# Altium PCB CL-HC-M-V2.1gerber.PcbDoc (part 16 of 18) (continued)
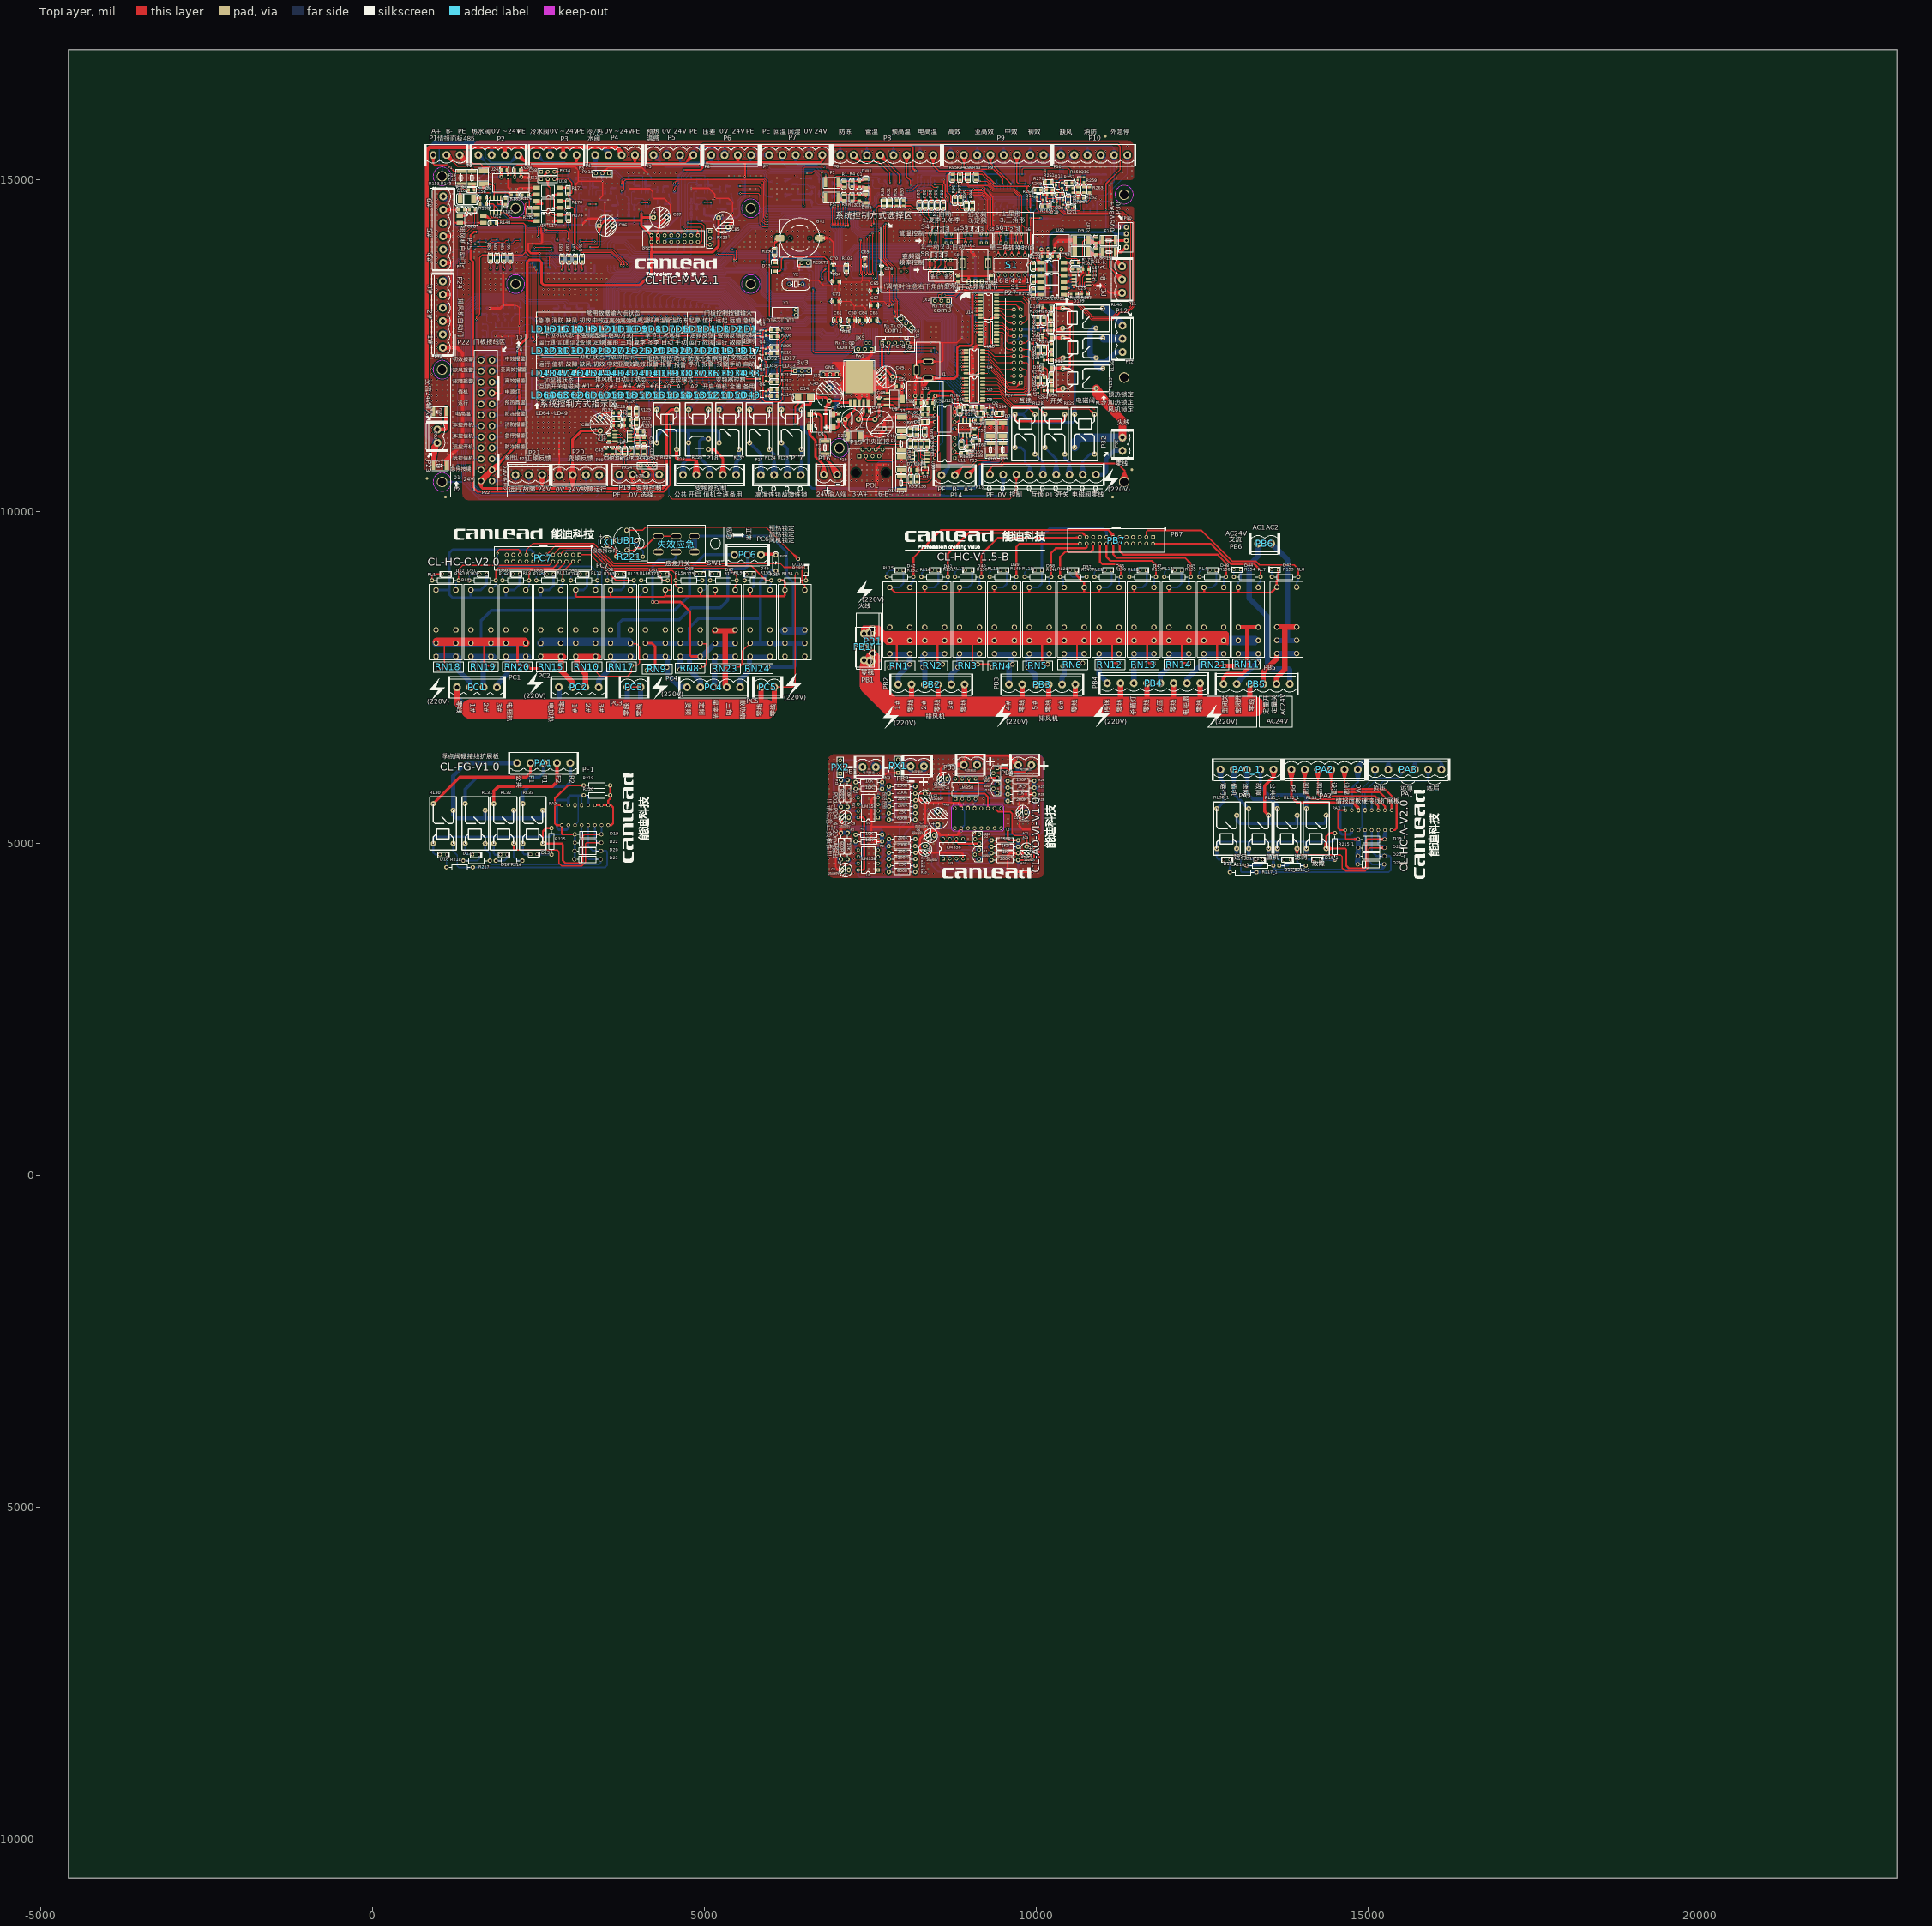
[diagram p0: TopLayer view]
## Nets (pads, with @x,y where several pads share a name; then routed paths per layer and width w, separated by ;. In a path a pad name is that pad's centre, name@x,y a point inside that pad or via, vN(x,y) a via of type N, cw(c..) or ccw(c..) an arc to the next point about the centre after c; other vN are vias at no path point) (continued)
  BottomLayer w30: P4.4@3310.88,15359.93 3364.16,15219.65 ; PX15.3@3364.16,15098.22 3364.16,15359.11 P4.4@3353.92,15369.36 3364.16,15219.65 ; P4.4@3397.84,15365.88 3364.16,15219.65
冷水阀执行: C12.2 C21.1 P3.4 PX14.3 R117.2 R119.2 | length 4062
  TopLayer w20: PX14.3@2739.14,15120.55 v1(2940.93,15120.55) ; PX14.3@2741.27,15101.14 2828.66,15120.55 PX14.3@2741.27,15139.96
  BottomLayer w15: P3.4@2445.6,15327.64 2564.87,15279.79 ; P3.4@2452.09,15341.41 2564.87,15279.79 ; P3.4@2460.09,15354.2 2564.87,15279.79 ; P3.4@2474,15370.67 2571.95,15272.72 2893.48,15272.72 2942.36,15223.85 2942.36,15045.04 3050.54,14936.86 3152.74,14936.86 ; P3.4@2490.47,15384.58 2564.87,15279.79 ; P3.4@2503.26,15392.58 2564.87,15279.79 ; P3.4@2517.03,15399.07 2564.87,15279.79 ; 2942.36,15062.99 v1(2940.93,15120.55) 2942.36,15178.11 ; R119.2@3140.35,14983.74 3152.74,14936.86 ; C21.1@3140.38,14897.24 3152.74,14936.86 ; C21.1@3152.74,14895.36 3152.74,14936.86 ; R119.2@3152.74,14995.36 C12.2@3217.71,15000.1 ; R119.2@3153.03,14972.86 C12.2@3217.71,14980.61 ; R119.2@3153.03,15007.85 C12.2@3217.71,15000.1 ; C21.1@3153.94,14877.91 3217.74,14890.36 C21.1@3153.94,14902.8 ; R119.2@3153.94,14977.91 3217.74,14990.36 R119.2@3153.94,15002.8 ; R119.2@3154.84,14983.03 C12.2@3217.71,15000.1 ; R119.2@3154.84,14997.68 C12.2@3217.71,14980.61 ; C21.1@3165.1,14897.24 3152.74,14936.86 ; R119.2@3165.14,14983.74 3152.74,14936.86 ; R117.2@3230.64,14883.03 C21.1@3167.77,14900.1 ; R117.2@3230.64,14897.68 C21.1@3167.77,14880.61 ; R117.2@3231.54,14877.91 3167.74,14890.36 R117.2@3231.54,14902.8 ; C12.2@3231.54,14977.91 3167.74,14990.36 C12.2@3231.54,15002.8 ; R117.2@3232.45,14872.86 C21.1@3167.77,14880.61 ; R117.2@3232.45,14907.85 C21.1@3167.77,14900.1 ; R117.2@3232.74,14885.36 C21.1@3167.77,14880.61 ; R117.2@3232.74,14890.36 C21.1@3152.74,14890.36 3152.74,14936.86 ; R117.2@3232.74,14895.36 C21.1@3167.77,14900.1 ; C12.2@3232.74,14990.36 R119.2@3152.74,14990.36 3152.74,14936.86 ; 3152.74,14936.86 3152.74,14985.36 C12.2@3217.71,14980.61
初效: OP1.4 P9.8 R21.2@10718.86,14998.5 | length 2263.8
  BottomLayer w15: P9.8@10110.72,15369.03 10237.44,15369.03 10386.07,15220.4 10386.07,14879.1 10530.24,14734.94 10697.99,14734.94 10713.86,14750.8 OP1.4@10713.86,14843.5 10713.86,14993.5 R21.2@10718.86,14998.5 10713.86,14932.88 ; P9.8@10112.95,15347.59 10214.78,15369.03 ; P9.8@10112.95,15390.47 10214.78,15369.03 ; P9.8@10117.14,15333.04 10214.78,15369.03 ; P9.8@10117.14,15405.01 10214.78,15369.03 ; P9.8@10123.49,15319.08 10214.78,15369.03 ; P9.8@10123.49,15418.98 10214.78,15369.03 ; R21.2@10706.36,14998.26 10713.86,14932.88 ; 10713.86,14753.5 OP1.4@10713.86,14813.5 ; OP1.4@10713.86,14873.5 10713.86,14933.5 ; R21.2@10731.18,14996.37 10713.86,14932.88
加湿器控制: C35.2 C42.1 P13.3 PX24.3 R138.2 R141.2 | length 9491.2
  TopLayer w15: R138.2@3974.15,11027.85 C42.1@3981.9,10963.16 ; C42.1@3979.21,10949.34 3991.65,11013.14 C42.1@4004.09,10949.34 ; R138.2@3979.21,11026.93 3991.65,10963.14 R138.2@4004.09,11026.93 ; R138.2@3984.33,11026.03 C42.1@4001.4,10963.16 ; R138.2@3986.65,11028.14 C42.1@3981.9,10963.16 ; R138.2@3991.65,11028.14 C42.1@3991.65,10948.14 v1(4041.21,10948.14) ; C42.1@3996.65,10948.14 v1(4041.21,10948.14) ; R138.2@3996.65,11028.14 C42.1@4001.4,10963.16 ; C42.1@3998.4,10935.76 v1(4041.21,10948.14) ; C42.1@3998.4,10960.51 v1(4041.21,10948.14) ; R138.2@3998.97,11026.03 C42.1@3981.9,10963.16 ; R138.2@4009.15,11027.85 C42.1@4001.4,10963.16 ; 4041.21,10890.64 v1(4041.21,10948.14) ; R141.2@4074.15,10948.43 C35.2@4081.9,11013.11 ; R141.2@4079.21,10949.34 4091.65,11013.14 R141.2@4104.09,10949.34 ; C35.2@4079.21,11026.93 4091.65,10963.14 C35.2@4104.09,11026.93 ; R141.2@4084.33,10950.24 C35.2@4101.4,11013.11 ; R141.2@4084.93,10935.76 v1(4041.21,10948.14) ; R141.2@4084.93,10960.52 v1(4041.21,10948.14) ; C35.2@4091.65,11028.14 R141.2@4091.65,10948.14 v1(4041.21,10948.14) ; R141.2@4096.65,10948.14 C35.2@4101.4,11013.11 ; R141.2@4098.97,10950.24 C35.2@4081.9,11013.11 ; R141.2@4109.15,10948.43 C35.2@4101.4,11013.11 ; PX24.3@4217.24,10695.64 4238.92,10754.38 ; PX24.3@4238.92,10691.76 4238.92,10754.38 ; PX24.3@4260.61,10695.64 4238.92,10754.38 ; v1@4471.63,10233.43 4514.25,10190.81 ; v1(4471.63,10233.83) 4514.25,10190.81 ; P13.3@9652.27,10540.89 9702.22,10449.61 ; P13.3@9666.23,10547.24 9702.22,10449.61 ; P13.3@9680.78,10551.43 9702.22,10449.61 ; P13.3@9702.22,10553.66 9702.22,10291.63 9601.4,10190.81 4514.25,10190.81 ; P13.3@9723.65,10551.43 9702.22,10449.61 ; P13.3@9738.2,10547.24 9702.22,10449.61 ; P13.3@9752.16,10540.89 9702.22,10449.61 ; v1(4041.21,10948.14) 4041.21,10819.85 4069.3,10791.76 4201.54,10791.76 4238.92,10754.38 ; v1(4041.21,10948.14) 4086.65,10948.14 C35.2@4081.9,11013.11
  BottomLayer w15: PX24.3@4238.92,10691.76 4444.99,10691.76 4471.63,10665.13 v1(4471.63,10233.83) ; PX24.3@4242.18,10669.98 4313.45,10691.76 PX24.3@4242.18,10713.55
变频值机: P18.3 RL25.5 | length 1051.6
  BottomLayer w50: P18.3@5044.21,10556.88 5077.86,10662.87 ; RL25.5@5062.76,11095.67 4963.68,11095.67 4930.38,11062.36 4930.38,10810.36 5077.86,10662.87 ; P18.3@5111.52,10556.88 5077.86,10662.87 ; 5077.86,10662.87 P18.3@5077.86,10551.66 5077.86,10662.87
变频全速: P18.2 RL25.4 | length 1058.2
  TopLayer w40: RL25.4@5062.76,10935.04 5145.7,10935.04 5277.86,10802.87 P18.2@5277.86,10551.66 5277.86,10730.72 ; P18.2@5239.04,10555.92 5277.86,10730.72 ; P18.2@5316.69,10555.92 5277.86,10730.72
变频备用: P18.1 RL37.3 | length 978.5
  BottomLayer w50: P18.1@5443.94,10554.68 5477.86,10743.85 ; P18.1@5511.78,10554.68 5477.86,10743.85 ; RL37.3@5522.76,10935.04 5522.76,10788.74 5477.86,10743.85 ; 5477.86,10743.85 P18.1@5477.86,10551.66 5477.86,10743.85
变频开启: P18.4 RL26.3 | length 1258.5
  TopLayer w50: RL26.3@4582.76,10935.04 4582.76,10805.46 4609.86,10778.36 4854.38,10778.36 4877.86,10754.87 ; P18.4@4843.93,10554.51 4877.86,10754.87 ; P18.4@4911.8,10554.51 4877.86,10754.87 ; 4877.86,10754.87 P18.4@4877.86,10551.66 4877.86,10754.87
变频控制电压选择: R83.2 S8.2 U29.14 | length 3791.4
  TopLayer w10: R83.2@8242.76,14660.04 8280.77,14660.04 ; R83.2@8247.76,14660.04 8280.77,14660.04 ; R83.2@8251.17,14645.43 8280.77,14660.04 ; R83.2@8251.17,14674.64 8280.77,14660.04 ; S8.2@8459.49,13662.25 8474.02,13709.76 ; S8.2@8459.49,13787.83 8474.02,13740.31 ; S8.2@8476.99,13775.61 8510.36,13790 ; S8.2@8476.99,13804.38 8510.36,13790 ; S8.2@8488.54,13662.25 8474.02,13709.76 ; S8.2@8488.54,13787.83 8474.02,13740.31 ; S8.2@8616.97,13662.25 8631.5,13709.76 ; S8.2@8616.97,13787.83 8631.5,13740.31 ; S8.2@8646.02,13662.25 8631.5,13709.76 ; S8.2@8646.02,13787.83 8631.5,13740.31 ; 8280.77,14660.04 8286.5,14654.31 8286.5,14482.37 8375.14,14393.73 8493.15,14393.73 8522.85,14364.03 8522.85,13802.48 8510.36,13790 ; 8474.02,13709.76 S8.2@8474.02,13660.08 S8.2@8474.02,13790 ; 8474.02,13740.31 S8.2@8474.02,13790 ; S8.2@8474.02,13790 8510.36,13790 ; S8.2@8474.02,13790 8510.36,13790 ; 8631.5,13709.76 S8.2@8631.5,13660.08 S8.2@8631.5,13790 8631.5,13740.31
  TopLayer w15: R83.2@8230.32,14661.24 8242.76,14725.04 ; R83.2@8255.2,14661.24 8242.76,14725.04 ; v1(8317.38,14822.95) 8270.98,14818.08 ; v1@8318.32,14818.08 8270.98,14818.08 ; 8242.76,14725.04 R83.2@8242.76,14660.04 8242.76,14789.86 8270.98,14818.08
  BottomLayer w10: S8.2@8476.19,13645.55 8523.7,13660.08 ; S8.2@8476.19,13674.6 8523.7,13660.08 ; S8.2@8476.19,13775.47 8523.7,13790 ; S8.2@8476.19,13804.52 8523.7,13790 ; S8.2@8629.33,13645.55 8581.81,13660.08 ; S8.2@8629.33,13674.6 8581.81,13660.08 ; S8.2@8629.33,13775.47 8581.81,13790 ; S8.2@8629.33,13804.52 8581.81,13790 ; 8523.7,13660.08 S8.2@8474.02,13660.08 S8.2@8631.5,13660.08 8581.81,13660.08 ; 8523.7,13790 S8.2@8474.02,13790 S8.2@8631.5,13790 8581.81,13790
  BottomLayer w15: U29.14@8317.38,14748.36 v1(8317.38,14822.95) ; U29.14@8317.38,14765.45 v1(8317.38,14822.95) ; v1@8318.32,14818.08 8318.32,14823.9 v1(8317.38,14822.95) ; v1(8317.38,14822.95) 8317.38,14773.36 v1(8317.38,14822.95)
回风压差: C14.1 DW5.K R8.1@7102.76,14775.04 R12.2@7222.76,14770.04 U33.44 | length 4341.3
  TopLayer w10: v1@7082.72,14307 7090.21,14348.84 ; v1@7082.73,14596.32 7090.21,14554.48 v1@7097.68,14596.32 ; v1(7090.21,14596.98) v1(7090.2,14306.34) 7090.21,14348.84 ; v1@7097.67,14307 7090.21,14348.84 ; DW5.K@7413.26,14775.58 v1(7433.73,14730.87) ; DW5.K@7422.83,14778.82 v1(7433.73,14730.87) ; v1@7426.25,14731.39 7432.89,14773.37 v1@7441.19,14731.68 ; v1@7426.3,14729.86 7424.24,14772.63 v1@7440.87,14733.17 ; v1@7426.27,14731.61 DW5.K@7433.73,14769.06 ; v1@7426.51,14732.89 7441.54,14772.87 v1@7441.2,14730.15 ; v1@7426.67,14728.35 7415.52,14770.65 v1@7440.26,14734.57 ; v1@7427.07,14734.31 7450.27,14771.12 v1@7440.89,14728.63 ; DW5.K@7427.76,14775.04 DW5.K@7433.73,14769.06 ; DW5.K@7432.76,14780.04 v1(7433.73,14730.87) ; v1@7441.2,14731.61 DW5.K@7433.73,14769.06 ; DW5.K@7442.73,14779.22 v1(7433.73,14730.87) ; DW5.K@7452.42,14776.36 v1(7433.73,14730.87) ; v1(7433.73,14730.87) DW5.K@7433.73,14769.06
  TopLayer w20: R8.1@7102.76,14775.04 7427.76,14775.04 DW5.K@7432.76,14780.04 ; R8.1@7107.76,14775.04 7187.76,14775.04 R12.2@7217.76,14770.04 ; R12.2@7247.36,14775.04 C14.1@7327.76,14770.04 ; C14.1@7308.14,14775.04 7227.76,14770.04 C14.1@7312.26,14771 ; C14.1@7337.76,14770.04 DW5.K@7418.03,14775.04 ; DW5.K@7424.76,14794.73 C14.1@7342.79,14770.35 ; DW5.K@7425.57,14794.88 C14.1@7342.35,14775.04 ; DW5.K@7427.32,14765.04 C14.1@7342.35,14775.04 ; DW5.K@7428.14,14765.04 C14.1@7342.79,14770.35 ; R12.2@7217.76,14770.04 7137.45,14775.04 R12.2@7217.76,14770.04 ; C14.1@7342.35,14775.04 7427.76,14780.04 C14.1@7342.79,14770.35
  BottomLayer w10: U33.44@7061.76,13622.58 7061.76,14265.36 7090.2,14293.8 ; U33.44@7061.76,13652.83 7061.76,13687.58 ; v1@7083.67,14310.04 7063.8,14267.41 ; v1@7085.51,14602.83 7114.44,14621.21 ; v1(7090.21,14596.98) 7114.44,14621.21 ; v1@7096.05,14301.65 7063.8,14267.41 ; v1@7096.06,14592.29 7114.44,14621.21 ; v1@7426.26,14730.21 7433.73,14688.37 ; v1@7441.2,14730.21 7433.73,14688.37 ; 7063.8,14267.41 v1(7090.2,14306.34) ; 7090.2,14293.8 v1(7090.2,14306.34) ; 7090.2,14293.8 7097.35,14304.1 7090.2,14293.8 ; 7090.2,14293.8 7083.04,14304.1 7090.2,14293.8 ; 7090.2,14293.8 v1(7090.2,14306.34) ; 7090.2,14293.8 v1(7090.2,14306.34) ; 7114.44,14621.21 7416.84,14621.21 7433.73,14638.11 v1(7433.73,14730.87) 7433.73,14688.37
回风温度: C3.1@7246.12,15012.18 DW3.K R3.1@7053.81,15002.19 R6.2@7149.13,15002.19 U33.45 | length 6495.6
  TopLayer w10: v1@7122.01,14302.91 7129.47,14344.75 ; v1@7122.01,14595.05 7129.48,14553.21 v1@7136.95,14595.05 ; v1(7129.48,14302.25) 7129.47,14344.75 ; v1@7129.47,14306.34 v1(7129.48,14595.71) ; v1@7136.95,14302.91 7129.47,14344.75
  BottomLayer w10: U33.45@7081.44,13622.58 7081.44,14254.21 7101.84,14274.61 ; U33.45@7081.44,13652.83 7081.44,13687.58 ; v1@7123.69,14307.02 7101.84,14274.61 ; v1(7129.48,14595.71) 7452.17,14595.71 7473.15,14616.7 7473.15,14982.5 7438.63,15017.02 DW3.K@7356.7,15017.02 ; v1@7130.14,14588.24 7171.98,14595.71 v1@7130.14,14603.18 ; v1@7134.25,14296.46 7101.84,14274.61 ; DW3.K@7361.7,15017.02 7416.7,15017.02 ; DW3.K@7362.61,15007.06 7416.7,15017.02 ; DW3.K@7362.61,15026.98 7416.7,15017.02 ; DW3.K@7365.34,14997.36 7416.7,15017.02 ; DW3.K@7365.34,15036.69 7416.7,15017.02 ; 7101.84,14274.61 v1(7129.48,14302.25) 7101.84,14274.61
  BottomLayer w16: R3.1@7053.81,15002.19 R6.2@7149.13,15002.19 7246.57,15002.19 DW3.K@7341.87,15002.19 ; R3.1@7058.81,15002.19 R6.2@7126.81,15002.19 ; R3.1@7059.87,14990.23 R6.2@7126.81,15002.19 ; R3.1@7059.87,15014.14 R6.2@7126.81,15002.19 ; R6.2@7141.52,14990.48 R3.1@7075.33,15011.38 ; R6.2@7141.52,15013.9 R3.1@7075.33,14993 ; R6.2@7144.68,14990.2 R3.1@7075.33,14993 ; R6.2@7144.68,15014.17 R3.1@7075.33,15011.38 ; R6.2@7152.29,15014.04 C3.1@7223.79,15019.09 ; R6.2@7153.89,15014.19 C3.1@7222.95,15009.55 ; R6.2@7154.94,14990.21 C3.1@7222.18,15000.76 ; R6.2@7155.19,14990.23 C3.1@7222.13,15002.19 ; R6.2@7155.19,15014.14 C3.1@7222.13,15002.19 ; R6.2@7155.44,15014.12 C3.1@7222.18,15000.76 ; R6.2@7156.44,14990.41 C3.1@7222.95,15009.55 ; R6.2@7157.93,14990.8 C3.1@7223.79,15019.09 ; C3.1@7238.39,15023.87 R6.2@7172.07,15002.19 ; C3.1@7241.12,15012.18 R6.2@7172.07,15002.19 ; C3.1@7241.82,15000.2 R6.2@7172.07,15002.19 ; C3.1@7250.43,15000.2 7320.21,15002.19 ; DW3.K@7346.18,15033.1 7278.82,15001.01 ; DW3.K@7346.66,15033.26 7275.25,15002.19 ; DW3.K@7349.05,15000.23 C3.1@7253.86,15023.87 ; DW3.K@7349.45,15033.87 C3.1@7251.12,15012.18 ; DW3.K@7351.08,15000.03 C3.1@7251.12,15012.18 ; DW3.K@7351.41,15034.02 C3.1@7253.86,15023.87 ; DW3.K@7353.1,15000.08 7275.25,15002.19 ; DW3.K@7353.43,15000.11 7278.82,15001.01 ; R3.1@7075.33,14993 R6.2@7144.13,15002.19 ; R3.1@7075.33,15011.38 R6.2@7144.13,15002.19 ; R3.1@7076.13,15002.19 7143.07,14990.23 R3.1@7076.13,15002.19 ; R3.1@7076.13,15002.19 7143.07,15014.14 R3.1@7076.13,15002.19 ; R3.1@7076.13,15002.19 R6.2@7144.13,15002.19 ; R3.1@7076.13,15002.19 R6.2@7144.13,15002.19 ; R6.2@7154.13,15002.19 C3.1@7222.13,15002.19 ; R6.2@7154.13,15002.19 C3.1@7222.18,15000.76 ; R6.2@7154.13,15002.19 C3.1@7222.95,15009.55 ; R6.2@7154.13,15002.19 C3.1@7223.79,15019.09 ; C3.1@7251.12,15012.18 7320.21,15002.19 ; C3.1@7251.12,15012.18 DW3.K@7351.7,15017.02 ; C3.1@7253.86,15023.87 7320.21,15002.19 ; C3.1@7253.86,15023.87 DW3.K@7351.7,15017.02 ; 7275.25,15002.19 DW3.K@7351.7,15017.02 ; 7278.82,15001.01 DW3.K@7351.7,15017.02 ; 7320.21,15002.19 DW3.K@7354.97,15000.34 ; 7320.21,15002.19 DW3.K@7340.92,15030.17 ; 7320.21,15002.19 DW3.K@7351.7,15017.02 ; 7320.21,15002.19 DW3.K@7354.97,15000.34 ; 7320.21,15002.19 DW3.K@7340.92,15030.17 ; 7320.21,15002.19 DW3.K@7351.7,15017.02 ; 7320.21,15002.19 DW3.K@7354.97,15000.34 ; 7320.21,15002.19 DW3.K@7340.92,15030.17 ; 7320.21,15002.19 DW3.K@7351.7,15017.02
回风湿度: C13.1 DW4.K R7.1@7028.04,14684.21 R11.2@7138.04,14689.21 U33.42 | length 2964.5
  TopLayer w10: v1@7004.16,14307 7011.62,14348.84 ; v1@7004.16,14612.1 7011.63,14570.26 ; v1(7011.63,14306.34) v1(7011.63,14612.76) 7011.63,14570.26 ; v1(7011.63,14306.34) 7011.62,14348.84 ; v1@7019.1,14307 7011.62,14348.84 ; v1@7019.1,14612.1 7011.63,14570.26
  BottomLayer w10: v1@7004.16,14305.67 7011.63,14264.17 ; v1@7006.77,14618.48 7044.14,14645.27 ; v1(7011.63,14612.76) 7044.14,14645.27 ; v1@7017.35,14607.91 7044.14,14645.27 ; v1@7019.1,14305.67 7011.63,14264.17 ; U33.42@7022.39,13622.58 7022.39,14253.42 7011.63,14264.17 ; U33.42@7022.39,13652.83 7022.39,13687.58 ; C13.1@7229.97,14696.04 7210.43,14646.06 ; C13.1@7243.04,14688.67 7210.43,14646.06 ; C13.1@7248.04,14683.67 7247.73,14683.36 7209.64,14645.27 ; C13.1@7253.56,14677.98 7210.43,14646.06 ; 7257.95,14661.3 7209.64,14645.27 ; 7011.63,14264.17 v1(7011.63,14306.34) 7011.63,14264.17 ; 7044.14,14645.27 7209.64,14645.27
  BottomLayer w20: R7.1@7028.04,14684.21 7028.59,14683.67 C13.1@7248.04,14683.67 ; R7.1@7033.04,14684.21 R11.2@7113.05,14683.67 ; R7.1@7048.7,14684.11 7133.04,14689.21 R7.1@7052.68,14683.67 ; R11.2@7162.65,14683.67 C13.1@7243.04,14688.67 ; C13.1@7223.41,14683.67 7143.04,14689.21 C13.1@7227.95,14687.73 ; C13.1@7247.73,14683.36 7290.85,14683.36 ; C13.1@7253.04,14688.67 7290.85,14683.36 ; DW4.K@7350.09,14644.51 7315,14659.21 ; DW4.K@7350.09,14673.92 7315,14659.21 ; DW4.K@7353.04,14659.21 7315,14659.21 ; DW4.K@7358.04,14659.21 7315,14659.21 ; 7290.85,14683.36 7315,14659.21
外急停开关: OP1.6 P10.6 R19.2@10893.86,14998.5 | length 2365.6
  BottomLayer w15: OP1.6@10813.86,14813.5 10813.86,14780.46 ; 10848.97,14928.61 OP1.6@10813.86,14873.5 ; R19.2@10877.38,15003.44 10854.22,14933.86 ; R19.2@10888.86,14998.5 10854.22,14933.86 ; R19.2@10899.33,14991.68 10854.22,14933.86 ; P10.6@11323.76,15356.26 11373.71,15264.97 ; P10.6@11337.73,15362.61 11373.71,15264.97 ; P10.6@11352.27,15366.79 11373.71,15264.97 ; P10.6@11373.71,15369.03 11373.71,15085.97 11053.33,14765.59 10828.73,14765.59 10813.86,14780.46 ; P10.6@11395.15,15366.79 11373.71,15264.97 ; P10.6@11409.7,15362.61 11373.71,15264.97 ; P10.6@11423.66,15356.26 11373.71,15264.97 ; 10813.86,14780.46 OP1.6@10813.86,14843.5 10813.86,14893.5 ; OP1.6@10813.86,14873.5 10813.86,14893.5 ; OP1.6@10813.86,14873.5 10813.86,14893.5 ; 10813.86,14893.5 10893.86,14973.5 ; 10893.86,14973.5 R19.2@10893.86,14998.5 ; 10893.86,14973.5 10905.96,14995.37 10893.86,14973.5 ; 10893.86,14973.5 10881.76,14995.37 10893.86,14973.5 ; 10893.86,14973.5 R19.2@10893.86,14998.5 ; 10893.86,14973.5 R19.2@10893.86,14998.5
大地: P26.5 PAX.5@8972.68,5530.32
定量关: PB5.5 RL8.5 | length 1505.5
  TopLayer w80: PB5.5@13620.52,7402.59 13620.52,7493.78 13744.62,7617.88 13744.62,8256.66 13880.16,8256.66 ; RL8.5@13624.63,8260.4 RL8.5@13924.63,8260.4 ; RL8.5@13625.85,8261.21 13790.3,8261.21
定量开: PB5.4 RL8.3 | length 842.4
  TopLayer w80: PB5.4@13420.52,7402.59 13420.52,7578.27 13624.63,7782.38 RL8.3@13624.63,7860.4
  BottomLayer w80: RL8.3@13619.3,7859.27 RL8.3@13919.3,7859.27
密闭关: PB5.1 RL7.5 | length 1437.3
  TopLayer w60: PB5.1@12820.52,7402.59 12820.52,7497.63 12879.46,7556.57 13109.14,7556.57 13179.59,7627.01 13179.59,8256.66 ; RL7.5@13054.53,8256.66 13179.59,8256.66 ; RL7.5@13354.53,8256.66 13179.59,8256.66
密闭开: PB5.2 RL7.3 RN11.2 | length 933.7
  BottomLayer w80: PB5.2@13020.52,7402.59 13020.52,7413.16 13354.53,7747.17 ; RL7.3@13054.53,7856.66 13354.53,7856.66 13354.53,7747.17 ; RN11.2@13325.34,7717.98 13354.53,7747.17
手动调速: C38.1 R102.1 R109.2 U33.47 | length 4061.1
  TopLayer w30: C38.1@8818.93,13549.7 8820.39,13551.17 R109.2@9332.63,13551.17 ; C38.1@8823.93,13549.7 8933.97,13551.17 ; R102.1@8966.75,13472.96 8984.14,13548.57 ; R102.1@8984.14,13463.49 8984.14,13548.57 ; R102.1@8984.14,13470.99 8984.14,13548.57 ; R102.1@9001.53,13472.96 8984.14,13548.57 ; 9217.63,13551.17 R109.2@9327.63,13551.17
  BottomLayer w10: U33.47@7120.81,13622.58 7120.81,13848.37 7279.88,14007.44 8211.93,14007.44 8351.25,13868.12 8351.25,13601.31 8439.51,13513.05 8713.26,13513.05 8762.82,13463.49 R102.1@8984.14,13463.49 8921.64,13463.49 ; U33.47@7120.81,13652.83 7120.81,13687.58 ; R102.1@8978.09,13436.66 8921.64,13463.49 ; R102.1@8978.09,13490.31 8921.64,13463.49 ; R102.1@8981.69,13446.16 8921.64,13463.49 ; R102.1@8981.69,13480.81 8921.64,13463.49 ; R102.1@8983.69,13456 8921.64,13463.49 ; R102.1@8983.69,13470.97 8921.64,13463.49
手动频率: C18.2 C24.1 PX15.1 R116.2 R122.2 | length 4467.4
  BottomLayer w15: PX15.1@3564.16,15098.22 3654.81,15098.22 3807.85,14945.19 3807.85,14761.2 ; PX15.1@3567.42,15076.44 3638.69,15098.22 PX15.1@3567.42,15120.01 ; C24.1@3848.67,14442.99 C18.2@3851.82,14510.19 ; R116.2@3848.67,14619.59 C18.2@3851.59,14553.29 ; R122.2@3848.66,14716.45 3852.7,14650.6 ; C18.2@3848.71,14526.13 C24.1@3861.15,14462.34 ; C18.2@3848.71,14538.54 R116.2@3861.15,14602.34 ; R116.2@3848.71,14630.16 3861.15,14693.96 ; C24.1@3848.99,14446.44 C18.2@3870.49,14510.19 ; R122.2@3848.96,14713.26 3869.61,14650.6 ; R116.2@3849.01,14616 C18.2@3870.72,14553.29 ; R122.2@3853.28,14716.32 3807.85,14761.2 ; C24.1@3861.15,14438.57 C18.2@3861.15,14532.34 R116.2@3861.15,14623.96 R122.2@3861.15,14721.03 3848.02,14721.03 3839.45,14729.6 ; C18.2@3861.15,14527.34 C24.1@3861.15,14462.34 ; C18.2@3861.15,14537.34 R116.2@3861.15,14602.34 ; R116.2@3861.15,14628.96 3861.15,14693.96 ; R122.2@3866.98,14737.08 3807.85,14761.2 ; R116.2@3873.3,14616 C18.2@3851.59,14553.29 ; C24.1@3873.32,14446.44 C18.2@3851.82,14510.19 ; R122.2@3873.34,14713.26 3852.7,14650.6 ; C18.2@3873.6,14526.13 C24.1@3861.15,14462.34 ; C18.2@3873.6,14538.54 R116.2@3861.15,14602.34 ; R116.2@3873.6,14630.16 3861.15,14693.96 ; C24.1@3873.64,14442.99 C18.2@3870.49,14510.19 ; R116.2@3873.64,14619.59 C18.2@3870.72,14553.29 ; R122.2@3873.65,14716.45 3869.61,14650.6 ; 3807.85,14761.2 3839.45,14729.6 ; 3807.85,14761.2 R122.2@3861.15,14726.03 ; 3839.45,14729.6 3855.7,14714.78 3839.45,14729.6 ; 3839.45,14729.6 3859.59,14738.43 3839.45,14729.6 ; 3839.45,14729.6 R122.2@3861.15,14726.03 ; 3839.45,14729.6 R122.2@3861.15,14726.03 ; R122.2@3849.16,14712.49 3861.15,14693.96 ; R122.2@3849.16,14712.49 3861.15,14693.96 ; R122.2@3849.16,14712.49 3861.15,14693.96 ; C18.2@3851.59,14553.29 R116.2@3861.15,14618.96 ; C18.2@3851.82,14510.19 C24.1@3861.15,14443.57 ; 3852.7,14650.6 R122.2@3861.15,14716.03 ; C24.1@3861.15,14443.57 C18.2@3861.15,14508.57 ; C24.1@3861.15,14443.57 C18.2@3870.49,14510.19 ; C24.1@3861.15,14443.57 C18.2@3861.15,14508.57 ; C18.2@3861.15,14508.57 3848.71,14444.77 C18.2@3861.15,14508.57 ; C18.2@3861.15,14508.57 3873.6,14444.77 C18.2@3861.15,14508.57 ; C18.2@3861.15,14553.96 3873.6,14617.76 C18.2@3861.15,14553.96 ; C18.2@3861.15,14553.96 3848.71,14617.76 C18.2@3861.15,14553.96 ; C18.2@3861.15,14553.96 R116.2@3861.15,14618.96 ; C18.2@3861.15,14553.96 R116.2@3861.15,14618.96 ; R116.2@3861.15,14618.96 C18.2@3870.72,14553.29 ; 3861.15,14651.03 3873.6,14714.83 3861.15,14651.03 ; 3861.15,14651.03 3848.71,14714.83 3861.15,14651.03 ; 3861.15,14651.03 R122.2@3861.15,14716.03 ; 3861.15,14651.03 R122.2@3861.15,14716.03 ; 3861.15,14693.96 R122.2@3873.14,14712.49 ; 3861.15,14693.96 R122.2@3861.15,14716.03 ; 3861.15,14693.96 R122.2@3873.14,14712.49 ; 3861.15,14693.96 R122.2@3861.15,14716.03 ; 3861.15,14693.96 R122.2@3873.14,14712.49 ; 3861.15,14693.96 R122.2@3861.15,14716.03 ; R122.2@3861.15,14716.03 3869.61,14650.6
星接法: PC4.3 RL9.3 RN23.2 | length 759.5
  BottomLayer w80: PC4.3@5138.93,7365.16 5152.79,7379.02 5152.79,7806.12 5452.79,7806.12 RL9.3@5443.72,7797.05
消防: OP1.8 P10.4 R14.2@11063.86,14998.5 | length 1842.7
  BottomLayer w15: OP1.8@10913.86,14843.5 11040.77,14843.5 11063.86,14866.59 R14.2@11063.86,14998.5 ; P10.4@10945.31,15326 11064.59,15278.15 ; P10.4@10951.8,15339.77 11064.59,15278.15 ; P10.4@10959.8,15352.56 11064.59,15278.15 ; P10.4@10973.71,15369.03 11121.94,15220.81 11121.94,15016.36 11104.07,14998.5 ; P10.4@10990.18,15382.94 11064.59,15278.15 ; P10.4@11002.97,15390.94 11064.59,15278.15 ; P10.4@11016.74,15397.43 11064.59,15278.15 ; R14.2@11051.42,14997.3 11063.86,14933.5 ; R14.2@11068.86,14998.5 11104.07,14998.5 ; R14.2@11071.08,14986.2 11104.07,14998.5 ; R14.2@11071.08,15010.8 11104.07,14998.5 ; R14.2@11076.3,14997.3 11063.86,14933.5 ; 11063.86,14933.5 R14.2@11063.86,14998.5 ; R14.2@11063.86,14998.5 11104.07,14998.5
热水阀执行: C16.2 C22.1 P2.4 PX14.1 R115.2 R120.2 | length 6657.7
  BottomLayer w15: P2.4@1565.67,15327.64 1684.95,15279.79 ; P2.4@1572.17,15341.41 1684.95,15279.79 ; P2.4@1580.17,15354.2 1684.95,15279.79 ; P2.4@1610.54,15384.58 1684.95,15279.79 ; P2.4@1623.34,15392.58 1684.95,15279.79 ; P2.4@1637.1,15399.07 1684.95,15279.79 ; PX14.1@2517.35,15123.8 2539.14,15195.08 PX14.1@2560.92,15123.8 ; PX14.1@2539.14,15120.55 2539.14,15225.37 ; C22.1@3055.25,14422.13 C16.2@3058.41,14489.33 ; R115.2@3055.26,14598.73 C16.2@3058.18,14532.43 ; R120.2@3055.25,14695.59 3059.28,14629.74 ; C16.2@3055.3,14505.27 C22.1@3067.74,14441.48 ; C16.2@3055.3,14517.68 R115.2@3067.74,14581.48 ; R115.2@3055.3,14609.3 3067.74,14673.1 ; R120.2@3055.55,14692.4 3076.2,14629.74 ; C22.1@3055.58,14425.58 C16.2@3077.07,14489.33 ; R115.2@3055.6,14595.14 C16.2@3077.31,14532.43 ; R120.2@3066.2,14687.76 3017.12,14700.17 ; R120.2@3066.2,14712.57 3017.12,14700.17 ; C22.1@3067.74,14417.71 C16.2@3067.74,14511.48 R115.2@3067.74,14603.1 R120.2@3067.74,14700.17 3017.12,14700.17 ; C16.2@3067.74,14506.48 C22.1@3067.74,14441.48 ; C16.2@3067.74,14516.48 R115.2@3067.74,14581.48 ; R115.2@3067.74,14608.1 3067.74,14673.1 ; C22.1@3079.91,14425.58 C16.2@3058.41,14489.33 ; R115.2@3079.89,14595.14 C16.2@3058.18,14532.43 ; R120.2@3079.93,14692.4 3059.28,14629.74 ; C16.2@3080.18,14505.27 C22.1@3067.74,14441.48 ; C16.2@3080.18,14517.68 R115.2@3067.74,14581.48 ; R115.2@3080.18,14609.3 3067.74,14673.1 ; C22.1@3080.23,14422.13 C16.2@3077.07,14489.33 ; R115.2@3080.23,14598.73 C16.2@3077.31,14532.43 ; R120.2@3080.23,14695.59 3076.2,14629.74 ; 1684.95,15279.79 P2.4@1594.08,15370.67 1734.19,15230.55 2858.61,15230.55 2867.38,15221.78 2867.38,14849.91 3017.12,14700.17 ; R120.2@3055.75,14691.63 3067.74,14673.1 ; R120.2@3055.75,14691.63 3067.74,14673.1 ; R120.2@3055.75,14691.63 3067.74,14673.1 ; C16.2@3058.18,14532.43 R115.2@3067.74,14598.1 ; C16.2@3058.41,14489.33 C22.1@3067.74,14422.71 ; 3059.28,14629.74 R120.2@3067.74,14695.17 ; C22.1@3067.74,14422.71 C16.2@3077.07,14489.33 ; C22.1@3067.74,14422.71 C16.2@3067.74,14487.71 ; C22.1@3067.74,14422.71 C16.2@3067.74,14487.71 ; C16.2@3067.74,14487.71 3055.3,14423.91 C16.2@3067.74,14487.71 ; C16.2@3067.74,14487.71 3080.18,14423.91 C16.2@3067.74,14487.71 ; C16.2@3067.74,14533.1 3080.18,14596.9 C16.2@3067.74,14533.1 ; C16.2@3067.74,14533.1 3055.3,14596.9 C16.2@3067.74,14533.1 ; C16.2@3067.74,14533.1 R115.2@3067.74,14598.1 ; C16.2@3067.74,14533.1 R115.2@3067.74,14598.1 ; R115.2@3067.74,14598.1 C16.2@3077.31,14532.43 ; 3067.74,14630.17 3080.18,14693.97 3067.74,14630.17 ; 3067.74,14630.17 3055.3,14693.97 3067.74,14630.17 ; 3067.74,14630.17 R120.2@3067.74,14695.17 ; 3067.74,14630.17 R120.2@3067.74,14695.17 ; 3067.74,14673.1 R120.2@3079.73,14691.63 ; 3067.74,14673.1 R120.2@3067.74,14695.17 ; 3067.74,14673.1 R120.2@3079.73,14691.63 ; 3067.74,14673.1 R120.2@3067.74,14695.17 ; 3067.74,14673.1 R120.2@3079.73,14691.63 ; 3067.74,14673.1 R120.2@3067.74,14695.17 ; R120.2@3067.74,14695.17 3076.2,14629.74
电高温: OP2.2 P8.8 R31.2 | length 2161.9
  TopLayer w20: P8.8@8400.32,15356.95 8448.32,15248 ; P8.8@8419.48,15363.51 8448.32,15248 ; P8.8@8448.32,15367.06 8448.32,15218.26 8534.48,15132.1 9182.72,15132.1 v1(9370.46,14944.36) 9315.54,14999.28 ; P8.8@8477.16,15363.51 8448.32,15248 ; P8.8@8496.32,15356.95 8448.32,15248
  BottomLayer w15: R31.2@9308.38,14996.33 9320.69,14962.4 ; R31.2@9320.69,14998.5 9320.69,14962.4 ; R31.2@9333,14996.33 9320.69,14962.4 ; OP2.2@9412.76,14865.04 9414.85,14909.87 ; OP2.2@9414.85,14843.5 9414.85,14909.87 ; 9320.69,14962.4 9338.47,14944.62 ; 9338.47,14944.62 9380.09,14944.62 9414.85,14909.87 ; 9338.47,14944.62 v1(9370.46,14944.36) 9414.85,14909.87
硬接线-温度: C33.2 C40.1 P26.11 PX23.3 R137.2 R139.2 | length 3891.4
  TopLayer w15: v1(4755.74,14346.38) 4813.24,14346.38 ; v1@4762.28,14346.38 4954.33,14346.38 4996.87,14303.84 4996.87,14047.78 5024.9,14019.75 ; PX23.3@5082.05,14041.95 5024.9,14019.75 ; PX23.3@5082.46,13998.62 5024.9,14019.75 ; PX23.3@5086.21,14020.32 5024.9,14019.75 ; PX23.3@5087.97,14019.98 5087.74,14019.75 5024.9,14019.75
  BottomLayer w15: P26.11@4689.23,14181.14 4746.65,14207.88 ; P26.11@4701.86,14163.1 4746.65,14207.88 ; P26.11@4719.91,14150.47 4746.65,14207.88 ; 4746.65,14286.39 v1(4755.74,14346.38) 4746.65,14406.72 ; v1@4762.28,14346.38 v1@4746.65,14346.38 ; C40.1@4874.51,14922.81 4886.86,14962.43 ; R139.2@4874.47,15009.32 4886.86,14962.43 ; C40.1@4886.86,14920.93 4886.86,14962.43 ; R139.2@4886.86,15020.93 C33.2@4951.84,15025.67 ; R139.2@4887.15,14998.43 C33.2@4951.84,15006.18 ; R139.2@4887.15,15033.42 C33.2@4951.84,15025.67 ; C40.1@4888.07,14903.49 4951.86,14915.93 C40.1@4888.07,14928.37 ; R139.2@4888.07,15003.49 4951.86,15015.93 R139.2@4888.07,15028.37 ; R139.2@4888.97,15008.61 C33.2@4951.84,15025.67 ; R139.2@4888.97,15023.25 C33.2@4951.84,15006.18 ; C40.1@4899.22,14922.81 4886.86,14962.43 ; R139.2@4899.26,15009.32 4886.86,14962.43 ; R137.2@4964.76,14908.61 C40.1@4901.89,14925.67 ; R137.2@4964.76,14923.25 C40.1@4901.89,14906.18 ; R137.2@4965.66,14903.49 4901.86,14915.93 R137.2@4965.66,14928.37 ; C33.2@4965.66,15003.49 4901.86,15015.93 C33.2@4965.66,15028.37 ; R137.2@4966.57,14898.43 C40.1@4901.89,14906.18 ; R137.2@4966.57,14933.42 C40.1@4901.89,14925.67 ; R137.2@4966.86,14910.93 C40.1@4901.89,14906.18 ; R137.2@4966.86,14915.93 C40.1@4886.86,14915.93 4886.86,14962.43 ; R137.2@4966.86,14920.93 C40.1@4901.89,14925.67 ; C33.2@4966.86,15015.93 R139.2@4886.86,15015.93 4886.86,14962.43 ; 4746.65,14207.88 v1@4746.65,14346.38 ; v1@4746.65,14346.38 4746.65,14936.94 4772.14,14962.43 4886.86,14962.43 ; 4886.86,14962.43 4886.86,15010.93 C33.2@4951.84,15006.18